# KiCad board wired-split.kicad_pcb (continued)
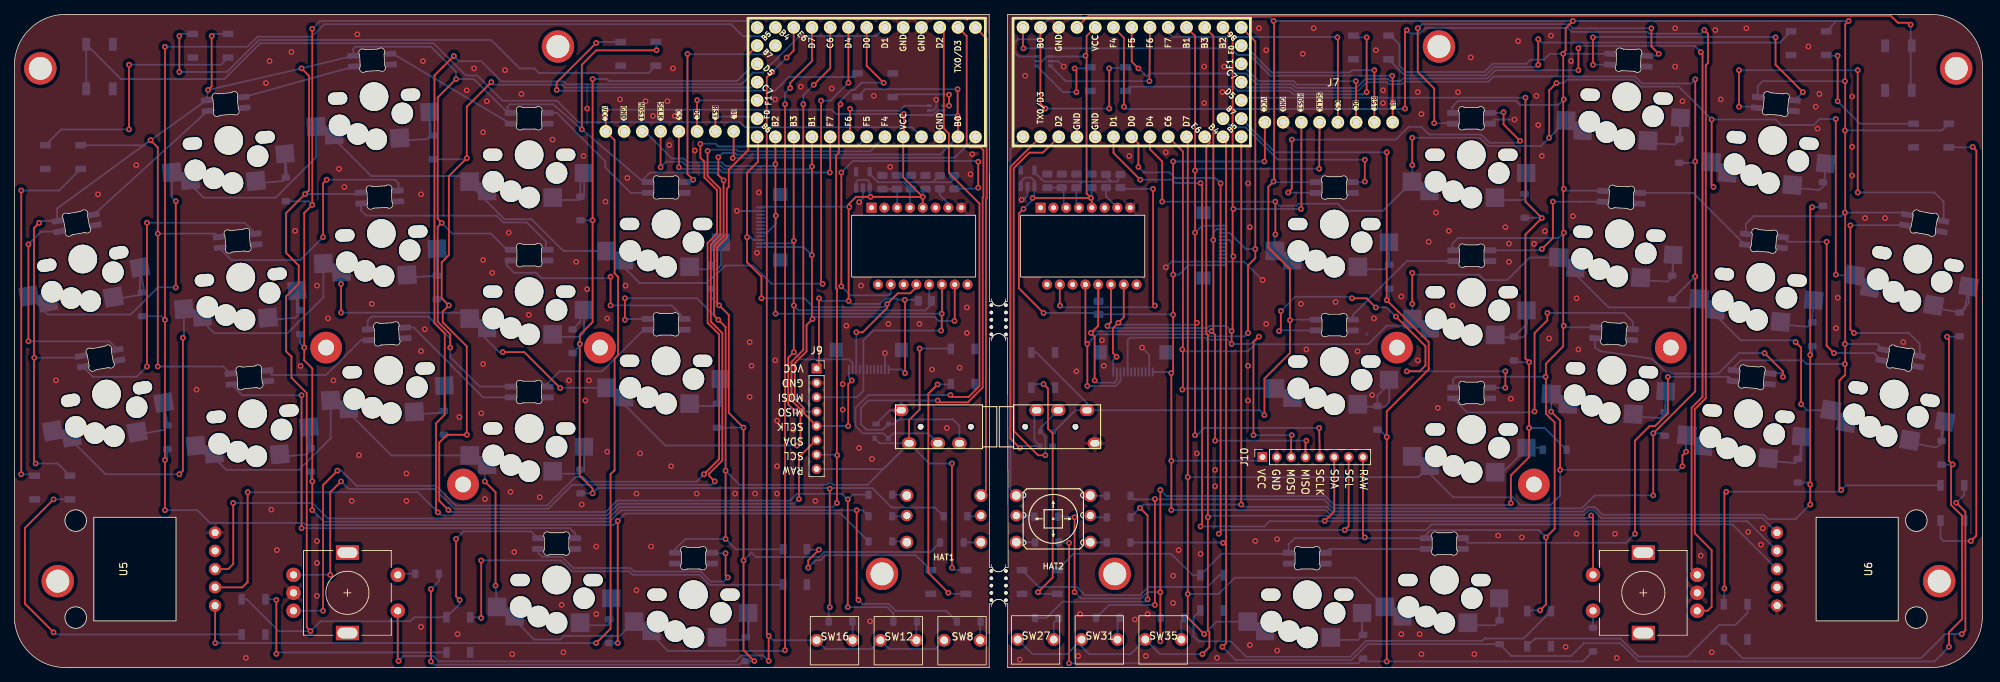
[diagram p0: board, top side]
## Routing (per net, layer and track width the routed paths; a pad name or vN(x,y) marks a point on that pad's centre or on a via; arc(x,y) is an arc through that point) (continued)
row_2: length 201.4
  Top w0.25: v1(213.83,35.64) 215.08,34.39 v1(215.08,27.53) ; v1(165.55,4.67) 163.27,6.96 v1(163.27,26.51) 163.27,73.71 U7.9 ; v1(232.1,28.04) 232.1,29.56 v1(232.61,30.07)
  Bottom w0.25: SW34.1 200.19,23.72 208.48,23.72 209.57,22.63 213.74,22.63 215.08,23.97 v1(215.08,27.53) 231.59,27.53 v1(232.1,28.04) ; v1(213.83,35.64) SW30.1 ; SW26.1 232.61,32.23 v1(232.61,30.07) ; v1(163.27,10.26) 167.54,10.26 169.8,12.52 186.62,12.52 SW23.1 ; v1(163.27,26.51) 195.37,26.51 196.69,27.84 ; v1(165.55,4.67) 167.29,6.4 SW38.1
row_2_L: length 190.6
  Top w0.25: U1.9 110.97,84.42 107.95,81.4 v1(107.95,80.68) ; v1(65.45,25.92) 66.95,24.42 v1(66.95,11.42) ; v1(107.23,78.42) 107.23,2.42 v1(107.23,2.42)
  Bottom w0.25: v1(65.45,25.92) 65.45,27.56 ; 46.25,35.75 52.46,29.54 62.85,29.54 ; v1(107.23,2.42) 107.14,2.33 90.92,2.33 88.41,4.84 ; 69.36,6.87 72.32,3.92 75.95,3.92 76.45,4.42 84.23,4.42 SW19.1 ; SW11.1 44.01,31.93 39.62,27.54 29.48,27.54 27.51,29.51 ; v1(107.95,80.68) 107.23,79.96 v1(107.23,78.42) ; SW3.1 v1(66.95,11.42)
row_3: length 165.7
  Top w0.25: v1(219.4,21.18) 219.65,20.92 SW39.S1 ; v1(165.3,1.88) 166.28,2.85 166.28,4.97 166.06,5.19 166.06,46.32 165.84,46.53 165.84,72.59 166.38,73.13 U7.10
  Bottom w0.25: v1(166.06,20.93) 166.28,21.14 182.62,21.14 182.93,20.83 219.05,20.83 v1(219.4,21.18) ; v1(165.3,1.88) 159.4,1.88 SW35.1 155.32,1.88 149.55,1.88 148.49,2.94 SW31.1 146.45,1.88 141.66,1.88 SW27.1
row_3_L: length 176.3
  Top w0.25: v1(105.45,82.92) 104.69,82.16 104.69,4.68 v1(104.95,4.42) v1(104.95,0.92) ; SW21.S1 53.34,1.03 v1(53.45,0.92) ; v1(107.45,84.92) 108.43,85.9 U1.10
  Bottom w0.25: v1(104.95,4.42) 105.56,3.81 SW16.1 112.84,2.61 119.31,2.61 SW12.1 121.71,2.61 128.18,2.61 SW8.1 ; v1(105.45,82.92) v1(107.45,84.92) ; v1(104.95,0.92) 104.18,1.69 101.17,1.69 100.34,0.87 59,0.87 58.25,1.62 54.16,1.62 v1(53.45,0.92)
row_4: length 51
  Bottom w0.25: U7.31 138.6,72.16 138.6,24.77 HAT2.4
row_4_L: length 66.1
  Top w0.25: HAT1.4 135.18,24.66 135.18,65.25 135.29,65.35 135.29,87.54 U1.31
RX: length 58
  Top w0.25: U7.2 143.11,71.68 141.21,71.68 139.05,69.52 139.05,32.95 142.44,29.56 v1(143.45,29.56)
  Bottom w0.25: J5.A 142.76,33.34 D98.3 143.45,32.15 v1(143.45,29.56)
RX_L: length 86.5
  Top w0.25: U1.2 129.32,88.55 129.32,75.05 130.03,74.34 130.03,68.84 134.28,64.59 134.28,39.19 132.79,37.69 130.5,37.69 v1(130.25,37.94)
  Bottom w0.25: J2.A 127.11,32.61 122.29,32.61 D41.3 120.91,32.61 118.05,32.61 117.04,33.63 117.04,36.17 118.82,37.94 v1(130.25,37.94)
SCL: length 157
  Top w0.25: v1(167.84,67.41) 167.84,18.89 v1(167.58,18.64) ; U7.6 156.41,72.95 v1(156.41,69.69) ; v1(185.11,19.15) 185.65,19.69 J10.7
  Bottom w0.25: v1(167.58,18.64) 168.09,19.15 196.41,19.15 197.19,19.93 239.04,19.93 U6.3 ; v1(156.41,69.69) 157.17,68.93 160.73,68.93 161.49,68.17 167.08,68.17 v1(167.84,67.41)
SCL_L: length 171.9
  Top w0.25: v1(120.95,81.42) 118.59,83.78 U1.6 ; v1(114.95,78.42) 114.72,78.18 114.72,71.68 114.34,71.3 114.34,52.79 114.45,52.67 114.45,29.6 v1(114.5,29.56) 114.45,29.52 v1(114.45,22.92) ; U5.3 29.75,13.72 30.45,14.42 v1(30.45,22.92)
  Bottom w0.25: v1(30.45,22.92) 41.48,22.92 43.63,20.77 82.64,20.77 84.23,22.36 113.9,22.36 v1(114.45,22.92) ; v1(120.95,81.42) 117.87,81.42 116.87,80.42 116.47,80.42 114.95,78.9 v1(114.95,78.42) ; J9.7 114.42,29.64
SCLK: length 131.7
  Top w0.25: v1(153.36,43.28) 152.85,43.79 152.85,47.25 v1(153.61,48.01) 154.36,48.76 U10.10 ; v1(164.28,32.36) 164.28,47.75 v1(164.54,48.01) 164.29,48.25 164.29,87.92 U7.16 ; J7.4 v1(181.55,69.44) ; J10.5 v1(181.55,33.37)
  Bottom w0.25: v1(164.28,32.36) 164.54,32.36 165.56,33.37 v1(181.55,33.37) ; v1(181.55,69.44) 164.54,69.44 v1(164.28,69.19) ; v1(164.54,48.01) 164.26,47.73 153.89,47.73 v1(153.61,48.01) ; J8.12 165.25,61.52 v1(164.28,60.55) ; v1(153.36,43.28) 152.9,42.82 J6.1
SCLK_L: length 115
  Top w0.25: v1(89.92,69.64) J1.4 ; U1.16 v1(110.97,69.75) 110.97,57.44 v1(110.95,57.42) 110.97,57.4 110.97,48.59 v1(111.05,48.51) 110.22,47.69 110.22,44.02 108.58,42.38 108.58,37.39 109.83,36.14 109.83,35.44 J9.5 ; v1(116.53,39.98) 116.02,39.47 v1(116.02,33.63) ; U4.10 130.85,48.3 v1(130.81,48.26)
  Bottom w0.25: v1(110.97,69.75) 110.59,69.37 98.78,69.37 98.28,69.87 93.5,69.87 92.95,70.42 90.69,70.42 v1(89.92,69.64) ; J3.12 109.82,58.55 v1(110.95,57.42) ; v1(111.05,48.51) 111.36,48.83 128.05,48.83 128.61,48.26 v1(130.81,48.26) ; v1(116.02,33.63) 116.01,33.64 J9.5 ; J4.1 116.13,40.37 v1(116.53,39.98)
SDA: length 155.7
  Top w0.25: U7.5 152.93,71.65 v1(156.66,67.92) ; v1(165.04,19.66) 165.26,19.87 165.26,67.23 v1(165.04,67.44) ; v1(182.32,20.42) 183.65,21.75 J10.6
  Bottom w0.25: U6.2 241.13,20.38 174.66,20.38 173.93,19.66 v1(165.04,19.66) ; v1(165.04,67.44) 161.58,67.44 161.11,67.92 v1(156.66,67.92)
SDA_L: length 236.3
  Top w0.25: U5.2 31.71,11.18 32.45,11.92 v1(32.45,24.42) ; v1(61.15,85.13) 59.66,83.64 59.65,83.64 58.45,82.44 58.45,47.94 59.89,46.51 59.89,35.22 58.67,34 58.67,21.88 v1(58.94,21.61) ; v1(109.16,23.47) 109.16,29.31 111.5,31.64 J9.6
  Bottom w0.25: v1(109.16,23.47) 108.51,22.81 84.05,22.81 82.46,21.22 59.33,21.22 v1(58.94,21.61) 56.13,24.42 v1(32.45,24.42) ; v1(61.15,85.13) 61.85,84.42 64.97,84.42 67.79,81.59 76.43,81.59 76.82,81.2 101.16,81.2 102.76,82.8 104.12,82.8 109.23,87.92 119.93,87.92 U1.5
TFT_BL: length 62.4
  Top w0.25: v1(140.41,86.2) 140.34,86.27 U7.32 ; v1(191.71,82.39) 191.77,82.33 J7.8
  Bottom w0.25: v1(140.41,86.2) 169.25,86.2 170.17,85.29 171.86,85.29 174.76,82.39 v1(191.71,82.39)
TFT_BL_L: length 38.8
  Top w0.25: J1.8 100.08,71.04 v1(99.95,70.92)
  Bottom w0.25: v1(99.95,70.92) 100,70.97 130.83,70.97 U1.32
TFT_CS: length 36.4
  Top w0.25: J7.5 184.15,87.67 v1(184.09,87.73)
  Bottom w0.25: v1(184.09,87.73) 184.04,87.78 161.18,87.78 160.55,88.41 U7.17
TFT_CS_L: length 31.3
  Top w0.25: J1.5 92.46,69.64 v1(92.45,69.64) ; v1(113.45,68.92) 113.51,68.98 U1.17
  Bottom w0.25: v1(92.45,69.64) 92.68,69.42 98.09,69.42 98.59,68.92 v1(113.45,68.92)
TFT_DC: length 23.1
  Top w0.25: J7.6 186.69,81.59 v1(186.65,81.63)
  Bottom w0.25: v1(186.65,81.63) 184.09,81.63 183.61,81.15 178.49,81.15 177.99,81.65 173.1,81.65 U7.28
TFT_DC_L: length 12.7
  Top w0.25: J1.6 v1(95,78.99)
  Bottom w0.25: U1.28 95.03,78.96 v1(95,78.99)
TFT_RST: length 27.4
  Top w0.25: v1(189.23,83.16) J7.7
  Bottom w0.25: v1(189.23,83.16) 186.13,83.16 185.81,82.84 174.94,82.84 171.21,86.58 U7.29
TFT_RST_L: length 8
  Top w0.25: J1.7 v1(97.54,76.71)
  Bottom w0.25: U1.29 103.07,76.71 v1(97.54,76.71)
TX: length 54
  Top w0.25: U7.1 138.6,69.71 138.6,31.88 v1(139.9,30.58)
  Bottom w0.25: v1(139.9,30.58) 140.17,30.85 D98.2 141.93,31.68 141.93,35.52 J5.B
TX_L: length 90.5
  Top w0.25: v1(128.47,37.18) 128.72,36.93 132.66,36.93 134.73,39 134.73,65.43 134.84,65.54 134.84,72.04 134.45,72.42 132.95,72.42 132.51,72.86 132.51,87.91 U1.1
  Bottom w0.25: J2.B 131.5,33.64 130.6,34.54 123.04,34.54 122.41,33.92 D41.2 120.8,33.12 118.56,33.12 117.8,33.88 117.8,36.17 118.82,37.18 v1(128.47,37.18)
Net-(D1-K): length 3.6
  Bottom w0.25: D1.1 17.47,52.52 SW1.2
Net-(D2-K): length 3.4
  Bottom w0.25: SW2.2 20.77,34.22 D2.1
Net-(D3-K): length 3.1
  Bottom w0.25: SW3.2 83.07,7.01 D3.1
Net-(D5-K): length 3.4
  Bottom w0.25: SW5.2 37.65,68.34 D5.1
Net-(D6-K): length 3
  Bottom w0.25: D6.1 39.32,50.17 SW6.2
Net-(D7-K): length 3
  Bottom w0.25: D7.1 40.96,30.88 SW7.2
Net-(D8-K): length 2.6
  Bottom w0.25: D8.1 134.38,6.36 SW8.2
Net-(D9-K): length 3.5
  Bottom w0.25: SW9.2 57.79,74.55 D9.1
Net-(D10-K): length 3.7
  Bottom w0.25: D10.1 58.81,54.6 SW10.2
Net-(D11-K): length 3.5
  Bottom w0.25: SW11.2 59.82,35.76 D11.1
Net-(D12-K): length 2.6
  Bottom w0.25: SW12.2 125.51,6.32 D12.1
Net-(D13-K): length 3.3
  Bottom w0.25: D13.1 78.75,65.59 78.75,68.85
Net-(D14-K): length 3.2
  Bottom w0.25: 78.75,49.8 78.75,48.17 D14.1
Net-(D15-K): length 3.2
  Bottom w0.25: D15.1 78.75,27.59 78.75,30.75
Net-(D16-K): length 2.6
  Bottom w0.25: D16.1 116.63,6.39 SW16.2
Net-(D17-K): length 3.5
  Bottom w0.25: 97.8,59.21 97.8,56.91 D17.1
Net-(D18-K): length 3.5
  Bottom w0.25: D18.1 97.8,36.74 97.8,40.16
Net-(D19-K): length 3.5
  Bottom w0.25: D19.1 102.12,4.56 SW19.2
Net-(D20-K): length 2.5
  Bottom w0.25: D20.1 53.49,13.07 SW21.S2
Net-(D21-DIN): length 55.2
  Top w0.25: v1(75.45,80.42) 75.45,81.45 v1(80.97,86.97)
  Bottom w0.25: D4.2 116.8,82.2 107.74,82.2 105.84,80.3 75.57,80.3 v1(75.45,80.42) ; D21.4 81.1,87.09 v1(80.97,86.97)
Net-(D21-DOUT): length 77.5
  Top w0.25: v1(22.95,82.92) v1(22.95,87.92)
  Bottom w0.25: v1(22.95,82.92) 29.57,82.92 34.02,87.37 66.35,87.37 70.31,83.41 72.33,83.41 72.97,82.77 88.24,82.77 D21.2 ; v1(22.95,87.92) 23.25,88.22 D25.4
Net-(D22-DOUT): length 18
  Bottom w0.25: 87.58,66.08 85.76,66.08 82.23,69.62 82.23,70.47 75.47,77.22 74.65,77.22
Net-(D23-DIN): length 45.9
  Top w0.25: v1(18.45,61.92) v1(18.45,41.92)
  Bottom w0.25: v1(18.45,41.92) 17.02,40.48 10.93,40.48 D39.2 ; v1(18.45,61.92) 32.07,61.92 D23.4
Net-(D23-DOUT): length 36
  Top w0.25: v1(42.95,59.92) 42.95,67.42 v1(43.45,67.92)
  Bottom w0.25: v1(42.95,59.92) 39.76,56.73 30.18,56.73 28.54,58.37 D23.2 ; v1(43.45,67.92) 52.95,67.92 53.45,67.42 53.45,66.49 D27.4
Net-(D24-DIN): length 16.3
  Bottom w0.25: D40.2 48.2,45.57 43.37,40.74 35.87,40.74 D24.4
Net-(D24-DOUT): length 67.9
  Top w0.25: v1(39.95,19.42) v1(39.95,37.92)
  Bottom w0.25: v1(39.95,19.42) 77.3,19.42 78.05,18.67 D28.4 ; v1(39.95,37.92) 31.69,37.92 D24.2
Net-(D25-DOUT): length 35.7
  Top w0.25: v1(15.95,83.92) v1(15.95,74.92)
  Bottom w0.25: v1(15.95,74.92) 6.52,74.92 D34.4 ; v1(15.95,83.92) 28.72,83.92 D25.2
Net-(D26-DOUT): length 19.4
  Bottom w0.25: D26.2 52.68,85.44 D29.4
Net-(D27-DOUT): length 29.8
  Bottom w0.25: D30.4 73.95,58.44 73.95,59.32 71.31,61.97 68.02,61.97 67.07,62.92 48.95,62.92 48.24,63.63 D27.2
Net-(D28-DOUT): length 34.2
  Top w0.25: v1(98.95,15.92) 98.95,12.85 v1(99.26,12.54)
  Bottom w0.25: v1(98.95,15.92) 97.17,15.92 D31.4 ; v1(99.26,12.54) 98.69,11.98 96.9,11.98 95.51,13.37 86.2,13.37 85.7,13.86 77.75,13.86 76.2,15.42 73.45,15.42 72.85,16.02 D28.2
Net-(D29-DOUT): length 15.9
  Bottom w0.25: D29.2 D32.4
Net-(D30-DOUT): length 30.9
  Top w0.25: v1(82.95,50.42) v1(82.95,54.42)
  Bottom w0.25: 92.78,48.53 92.78,49.09 91.45,50.42 v1(82.95,50.42) ; v1(82.95,54.42) 82.74,54.2 73.36,54.2 72.6,54.96 69.54,54.96 68.53,55.97 68.53,56.67
Net-(D32-DOUT): length 21.4
  Bottom w0.25: D32.2 D35.4
Net-(D33-DOUT): length 17.1
  Bottom w0.25: 73.73,39.12 75.85,41.25 81.79,41.25 87.58,47.03
Net-(D34-DOUT): length 51
  Top w0.25: v1(0.95,66.42) v1(0.95,26.92)
  Bottom w0.25: v1(0.95,66.42) 6.22,66.42 D34.2 ; D37.4 2.62,26.92 v1(0.95,26.92)
Net-(D35-DOUT): length 31.4
  Top w0.25: v1(1.95,58.92) v1(1.95,45.42)
  Bottom w0.25: v1(1.95,58.92) 3.73,60.69 D35.2 ; v1(1.95,45.42) 13.23,45.42 D39.4
Net-(D36-DOUT): length 18.2
  Bottom w0.25: 68.53,37.62 65.23,37.62 60.73,42.12 60.73,42.18 55.57,47.34 D40.4
Net-(D37-DOUT): length 50.4
  Top w0.25: v1(5.45,4.92) 1.47,8.9 1.47,19.43 v1(5.45,23.42)
  Bottom w0.25: v1(5.45,4.92) 5.75,4.62 D38.4 ; D37.2 v1(5.45,23.42)
Net-(D38-DOUT): length 32.8
  Top w0.25: v1(36.45,9.42) v1(36.45,1.92)
  Bottom w0.25: v1(36.45,9.42) 36.35,9.52 D38.2 ; v1(36.45,1.92) 36.65,2.12 D52.4
Net-(D42-K): length 2.1
  Bottom w0.25: HAT1.1 124.07,17.57 D42.1
Net-(D43-K): length 2.1
  Bottom w0.25: D43.1 124.09,21.07 HAT1.2
Net-(D44-K): length 2.1
  Bottom w0.25: D44.1 124.07,24.07 HAT1.3
Net-(D45-K): length 1.9
  Bottom w0.25: D45.1 134.39,21.07 HAT1.5
Net-(D46-K): length 2.4
  Bottom w0.25: D46.1 134.44,17.42 HAT1.6
Net-(D47-K): length 4.2
  Bottom w0.25: D47.1 271.92,50.68 SW4.2
Net-(D48-K): length 2.8
  Bottom w0.25: D48.1 268.15,33.17 SW22.2
Net-(D49-DIN): length 35.1
  Top w0.25: v1(129.95,10.42) 127.17,13.2 127.17,38.14 v1(128.45,39.42)
  Bottom w0.25: v1(128.45,39.42) 130.25,39.42 D49.4 ; D50.2 130.1,10.27 v1(129.95,10.42)
Net-(D50-DIN): length 23.5
  Top w0.25: v1(111.95,16.42) 110.45,14.92 v1(110.45,13.92)
  Bottom w0.25: D50.4 125.42,15.65 112.85,15.65 112.14,14.94 111.48,14.94 v1(110.45,13.92) ; D51.2 110.32,16.42 v1(111.95,16.42)
Net-(D51-DIN): length 53
  Top w0.25: v1(64.95,6.92) v1(64.95,14.92)
  Bottom w0.25: D52.2 64.85,7.02 v1(64.95,6.92) ; D51.4 106.93,11.53 96.72,11.53 95.33,12.92 86.01,12.92 85.52,13.41 77.57,13.41 76.06,14.92 v1(64.95,14.92)
Net-(D53-K): length 3
  Bottom w0.25: SW23.2 206.65,9.12 D53.1
Net-(D54-DOUT): length 51.8
  Top w0.25: v1(209.49,73.33) 207.21,75.62 v1(207.21,77.31) ; v1(177.74,73.5) 177.74,66.64 v1(177.24,66.14)
  Bottom w0.25: v1(209.49,73.33) 209.22,73.06 205.24,73.06 204.09,74.21 196.85,74.21 195.78,75.28 194,75.28 192.22,73.5 v1(177.74,73.5) ; v1(207.21,77.31) 207.11,77.21 D61.4 ; D54.2 v1(177.24,66.14)
Net-(D55-DIN): length 29.2
  Top w0.25: v1(252.17,59.28) 252.17,44.8 v1(253.18,43.79)
  Bottom w0.25: v1(253.18,43.79) 258.75,43.79 D83.2 ; v1(252.17,59.28) 246.74,59.28 D55.4
Net-(D55-DOUT): length 17.5
  Bottom w0.25: D62.4 233.58,66.08 D55.2
Net-(D56-DIN): length 33.6
  Top w0.25: v1(243.53,43.79) 246.07,41.25 v1(246.07,40.48)
  Bottom w0.25: v1(243.53,43.79) 239.93,43.79 237.08,40.93 230.64,40.93 230.37,41.21 229.77,41.21 227.78,43.02 220.69,44.04 219.92,44.53 D84.2 ; D56.4 244.44,40.99 245.82,40.99 246.07,40.74 v1(246.07,40.48)
Net-(D56-DOUT): length 58.2
  Top w0.25: v1(230.07,40.48) 230.07,35.4 228.29,33.63 227.53,33.63 225.5,31.59 v1(225.5,18.64)
  Bottom w0.25: v1(225.5,18.64) 224.23,17.37 202.23,17.37 D63.4 ; v1(230.07,40.48) 238.5,40.48 D56.2
Net-(D59-K): length 3.3
  Bottom w0.25: D59.1 248.66,29.58 SW26.2
Net-(D60-K): length 3.3
  Bottom w0.25: SW27.2 144.61,6.23 D60.1
Net-(D61-DOUT): length 55.4
  Top w0.25: v1(228.8,85.44) 227.78,86.46 v1(227.78,89) ; v1(195.27,89) 195.27,82.9 197.56,80.62 v1(197.56,75.79)
  Bottom w0.25: v1(228.8,85.44) 228.52,85.17 D68.4 ; v1(195.27,89) 195.84,89.56 216.28,89.56 216.85,89 v1(227.78,89) ; D61.2 200.01,75.71 199.94,75.79 v1(197.56,75.79)
Net-(D62-DOUT): length 21.4
  Top w0.25: v1(212.54,58.26) 214.07,59.79 v1(214.07,64.87)
  Bottom w0.25: v1(214.07,64.87) 217.87,64.87 217.88,64.86 D62.2 ; v1(212.54,58.26) 212.37,58.09 D69.4
Net-(D63-DOUT): length 14.1
  Bottom w0.25: D63.2 183.03,16.52 D70.4
Net-(D64-K): length 3
  Bottom w0.25: D64.1 231.81,73.72 SW28.2
Net-(D65-K): length 3
  Bottom w0.25: D65.1 230.8,54.72 SW29.2
Net-(D66-K): length 2.9
  Bottom w0.25: SW30.2 229.77,35.68 D66.1
Net-(D67-K): length 3.1
  Bottom w0.25: D67.1 153.49,6.6 SW31.2
Net-(D68-DOUT): length 42.4
  Top w0.25: v1(248.86,80.11) 245.05,83.92 v1(245.05,87.73) ; v1(219.65,83.92) v1(219.65,87.73)
  Bottom w0.25: v1(248.86,80.11) 247.75,79 D75.4 ; v1(219.65,87.73) 219.72,87.79 244.99,87.79 v1(245.05,87.73) ; D68.2 v1(219.65,83.92)
Net-(D69-DOUT): length 17.7
  Bottom w0.25: D69.2 193.75,56.59 186.25,49.1 D76.4
Net-(D71-K): length 3
  Bottom w0.25: D71.1 210.35,66.12 SW32.2
Net-(D72-K): length 4.4
  Bottom w0.25: D72.1 210.4,47.82 SW33.2
Net-(D73-K): length 8.2
  Bottom w0.25: D73.1 212.38,30.62 SW34.2 210.4,30.46 207.13,27.2 SW34.2
Net-(D74-K): length 3.2
  Bottom w0.25: D74.1 162.36,6.48 SW35.2
Net-(D75-DOUT): length 56.3
  Top w0.25: v1(256.48,83.16) v1(256.48,66.14) ; v1(239.97,78.08) v1(239.97,83.16)
  Bottom w0.25: v1(256.48,66.14) 267.15,66.14 268.43,64.86 D81.4 ; v1(239.97,78.08) 242.26,78.08 242.41,77.92 D75.2 ; v1(239.97,83.16) v1(256.48,83.16)
Net-(D76-DOUT): length 55.5
  Top w0.25: v1(186.13,51.41) 188.16,51.41 v1(189.43,50.14) ; v1(176.22,49.63) 176.22,47.09 v1(175.97,46.83) ; v1(207.46,41.25) v1(207.46,38.96) ; v1(192.22,48.87) 196.34,44.74 196.34,42.07 195.52,41.25 v1(193.75,41.25)
  Bottom w0.25: v1(186.13,51.41) 185.91,51.62 178.21,51.62 v1(176.22,49.63) ; v1(175.97,46.83) 176.07,46.94 D76.2 ; D82.4 205.4,38.96 v1(207.46,38.96) ; v1(193.75,41.25) v1(207.46,41.25) ; v1(192.22,48.87) 190.95,50.14 v1(189.43,50.14)
Net-(D77-K): length 3.2
  Bottom w0.25: SW36.2 191.27,56.1 D77.1
Net-(D78-K): length 4.3
  Bottom w0.25: D78.1 189.65,37.85 191.27,39.47 SW37.2
Net-(D79-K): length 3.1
  Bottom w0.25: SW38.2 187.51,4.71 D79.1
Net-(D80-K): length 2.4
  Bottom w0.25: D80.1 SW39.S2
Net-(D81-DOUT): length 34.2
  Top w0.25: v1(255.47,61.57) 255.47,47.09 v1(255.98,46.58)
  Bottom w0.25: D81.2 255.49,61.59 v1(255.47,61.57) ; D83.4 265.12,45.05 263.6,46.58 v1(255.98,46.58)
Net-(D82-DOUT): length 40.1
  Top w0.25: v1(211.53,35.66) 211.53,46.58 213.3,48.36 v1(213.3,49.37)
  Bottom w0.25: D82.2 202.14,35.52 211.39,35.52 v1(211.53,35.66) ; v1(213.3,49.37) 223.97,49.37 225.19,48.15 D84.4
Net-(D85-K): length 2.3
  Bottom w0.25: HAT2.1 149.75,17.42 D85.1
Net-(D86-K): length 2.4
  Bottom w0.25: D86.1 149.95,20.92 HAT2.2
Net-(D87-DOUT): length 57.6
  Bottom w0.25: D87.2 209.98,4.04 204.79,4.04 204.67,4.16 204.22,3.72 188.09,3.72 185.88,1.51 171.39,1.51 169.25,3.65 164.79,3.65 164.06,4.38 164.06,7.03 D91.4
Net-(D88-DOUT): length 43.9
  Top w0.25: v1(188.16,80.11) v1(188.16,87.73)
  Bottom w0.25: v1(188.16,80.11) 187.59,79.8 177.93,79.8 177.43,80.3 170.21,80.3 169.64,80.87 155.21,80.87 D88.2 ; D92.4 186.56,87.73 v1(188.16,87.73)
Net-(D89-K): length 2.3
  Bottom w0.25: D89.1 149.75,23.92 HAT2.3
Net-(D90-K): length 2.6
  Bottom w0.25: D90.1 141.8,21.16 HAT2.5
Net-(D91-DOUT): length 30.7
  Bottom w0.25: D94.4 142.54,11.24 147.82,11.24 148.97,10.08 156.6,10.08 157.76,11.24 166.02,11.24 167.65,12.87 D91.2
Net-(D92-DOUT): length 62.1
  Top w0.25: v1(212.03,83.92) v1(212.03,87.47)
  Bottom w0.25: 211.88,83.77 v1(212.03,83.92) 211.72,83.61 205.88,83.61 204.72,82.45 193.43,82.45 D92.2 ; D95.4 245.64,87 212.5,87 v1(212.03,87.47)
Net-(D93-K): length 2.6
  Bottom w0.25: D93.1 141.96,17.46 HAT2.6
Net-(D94-DOUT): length 35
  Top w0.25: v1(142.44,10.51) 144.47,12.54 144.47,32.61 143.82,33.26 143.82,38.85 v1(143.2,39.47)
  Bottom w0.25: v1(142.44,10.51) 142.68,10.27 D94.2 ; D96.4 142,39.47 v1(143.2,39.47)
Net-(D95-DOUT): length 19.8
  Top w0.25: v1(253.69,78.84) v1(253.69,85.19)
  Bottom w0.25: v1(253.69,78.84) 256.81,75.72 D97.4 ; v1(253.69,85.19) 252.18,85.19 D95.2
Net-(D97-DOUT): length 65.6
  Top w0.25: v1(272.49,72.49) 272.99,71.98 272.99,18.39 v1(272.23,17.62)
  Bottom w0.25: D97.2 272.42,72.42 v1(272.49,72.49) ; v1(272.23,17.62) 268.42,17.62 268,18.04 D99.4
Net-(D100-DIN): length 57.5
  Top w0.25: v1(270.2,22.96) 271.47,21.69 271.47,5.18 v1(270.96,4.67)
  Bottom w0.25: D100.4 240.46,1.31 265.32,1.31 268.68,4.67 v1(270.96,4.67) ; v1(270.2,22.96) 271.3,24.06 D99.2
Net-(D100-DOUT): length 35.8
  Bottom w0.25: D100.2 241.15,7.63 239.47,5.94 237.18,5.94 232.8,1.56 225.94,1.56 223.46,4.04 211.58,4.04 D87.4
Net-(U1-A1/PF6): length 15.5
  Top w0.25: U1.18 116.27,74.1 v1(116.27,77.79)
  Bottom w0.25: v1(116.27,77.79) 116.55,77.52 123.2,77.52 123.9,78.22 U2.3
Net-(U4-LED_P): length 51.4
  Top w0.25: v1(115.06,68.92) v1(115.06,53.09) ; v1(134.11,66.8) v1(134.11,70.42)
  Bottom w0.25: U4.15 121.95,52.1 121.67,51.82 116.33,51.82 v1(115.06,53.09) ; v1(115.06,68.92) 116.66,70.52 134.01,70.52 v1(134.11,70.42) ; v1(134.11,66.8) 133.97,66.66 R1.2
Net-(U4-VDDPIX): length 4.6
  Bottom w0.25: C4.2 C3.1 122.84,66.55 U4.3
Net-(U4-~{NRESET}): length 3.1
  Bottom w0.25: U4.7 129.96,64.61 128.77,65.79 R2.1
Net-(U7-A1/PF6): length 22.2
  Top w0.25: U7.18 v1(157.93,81.63)
  Bottom w0.25: U9.3 146.29,81.63 v1(157.93,81.63)
Net-(U10-LED_P): length 37.3
  Top w0.25: U10.15 145.46,50.41 v1(145.49,50.39) ; v1(158.44,66.65) 158.44,50.64 v1(158.69,50.39)
  Bottom w0.25: v1(145.49,50.39) 145.71,50.17 158.47,50.17 v1(158.69,50.39) ; R4.2 153.94,66.82 154.12,66.65 v1(158.44,66.65)
Net-(U10-VDDPIX): length 5
  Bottom w0.25: U10.3 145.99,64.38 145.99,66.55 C8.2 C7.1
Net-(U10-~{NRESET}): length 3.5
  Bottom w0.25: U10.7 151.9,65.6 R5.1

## Copper pours and planes (outline as drawn; the poured copper is in the pictures)
GND on Top, Bottom: 275.03,92.05 137.61,91.28 137.61,-0.66 275.53,-1.17
GND_L on Top, Bottom: 136.09,-0.66 -2.09,-1.68 -2.09,92.55 136.09,91.54

## Text on the board
B.Silkscreen: VCC1 | SCLK1
F.Silkscreen: VCC | GND | MOSI | MISO | SCLK | SDA | SCL | RAW
